# KiCad board poly_kb.kicad_pcb (continued)
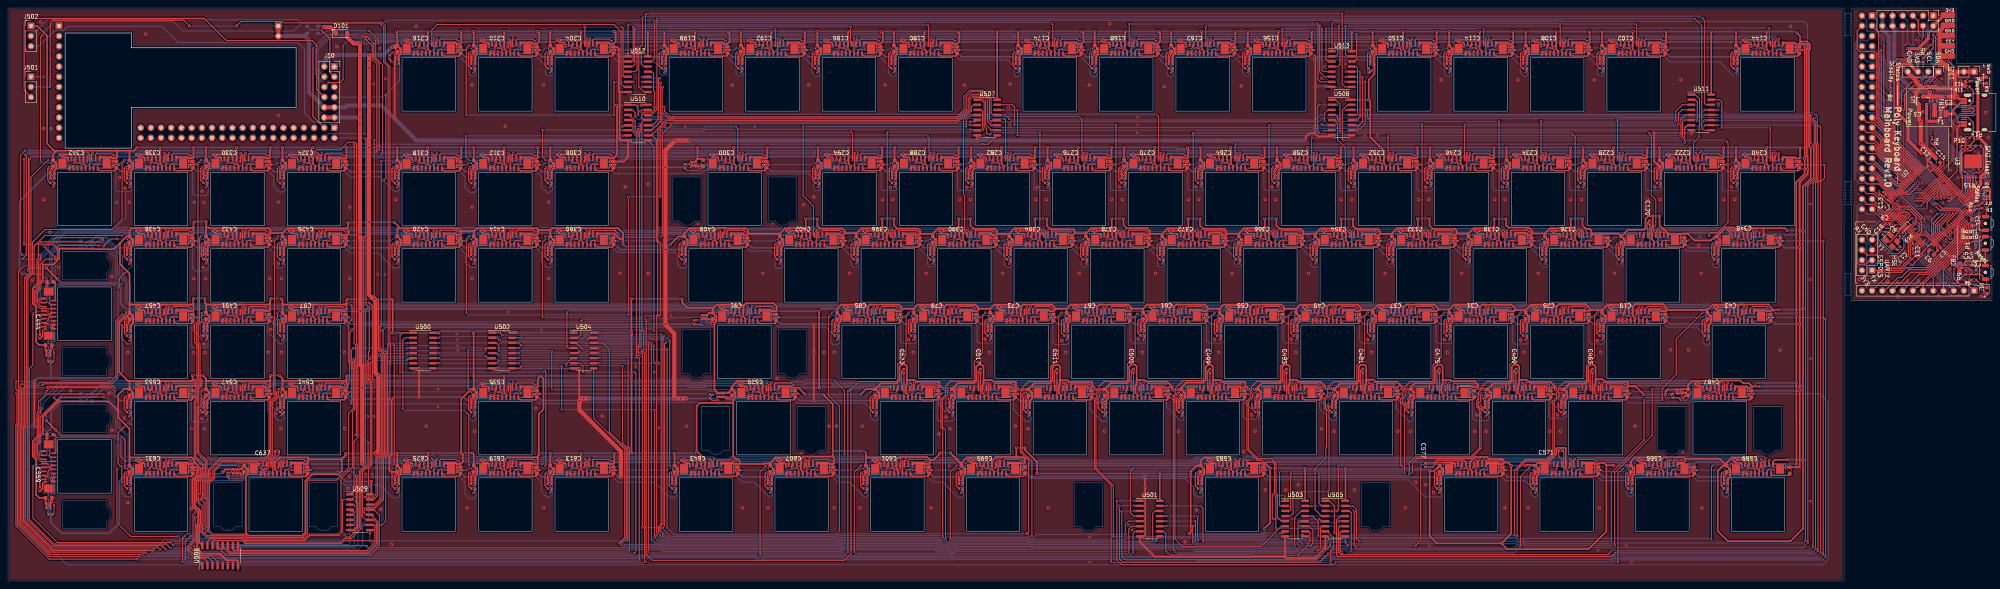
[diagram p0: board, top side]
## Placement (name value [footprint] x y rotation side) (continued)
C421  2.2uF  [C_0603_1608Metric]  96.93 85.15 270 top
C422  2.2uF  [C_0603_1608Metric]  112.67 84.77 90 top
C423  4.7uF  [C_0402_1005Metric]  96.77 81.34 0 top
C424  100nF  [C_0402_1005Metric]  96.8 82.48 0 top
C425  1uF  [C_0402_1005Metric]  68.22 80.2 0 top
C426  1uF  [C_0402_1005Metric]  70.51 87.31 180 top
C427  2.2uF  [C_0603_1608Metric]  68.35 85.15 270 top
C428  2.2uF  [C_0603_1608Metric]  84.1 84.77 90 top
C429  4.7uF  [C_0402_1005Metric]  68.2 81.34 0 top
C430  100nF  [C_0402_1005Metric]  68.22 82.48 0 top
C431  1uF  [C_0402_1005Metric]  49.17 80.2 0 top
C432  1uF  [C_0402_1005Metric]  51.46 87.31 180 top
C433  2.2uF  [C_0603_1608Metric]  49.3 85.15 270 top
C434  2.2uF  [C_0603_1608Metric]  65.05 84.77 90 top
C435  4.7uF  [C_0402_1005Metric]  49.15 81.34 0 top
C436  100nF  [C_0402_1005Metric]  49.17 82.48 0 top
C437  1uF  [C_0402_1005Metric]  30.12 80.2 0 top
C438  1uF  [C_0402_1005Metric]  32.41 87.31 180 top
C439  2.2uF  [C_0603_1608Metric]  30.25 85.15 270 top
C440  2.2uF  [C_0603_1608Metric]  46 84.77 90 top
C441  4.7uF  [C_0402_1005Metric]  30.1 81.34 0 top
C442  100nF  [C_0402_1005Metric]  30.12 82.48 0 top
C443  1uF  [C_0402_1005Metric]  10.58 54.61 0 top
C444  1uF  [C_0402_1005Metric]  7.94 60.97 270 top
C445  2.2uF  [C_0603_1608Metric]  10.09 58.81 0 top
C446  2.2uF  [C_0603_1608Metric]  10.48 74.56 180 top
C447  4.7uF  [C_0402_1005Metric]  10.02 57.36 180 top
C448  100nF  [C_0402_1005Metric]  9.99 56.22 180 top
C449  100nF  [C_0402_1005Metric]  68.22 63.43 0 top
C450  1uF  [C_0402_1005Metric]  49.17 61.15 0 top
C451  1uF  [C_0402_1005Metric]  51.46 68.26 180 top
C452  2.2uF  [C_0603_1608Metric]  49.3 66.1 270 top
C453  2.2uF  [C_0603_1608Metric]  65.05 65.72 90 top
C454  4.7uF  [C_0402_1005Metric]  49.15 62.29 0 top
C455  100nF  [C_0402_1005Metric]  49.17 63.43 0 top
C456  1uF  [C_0402_1005Metric]  30.12 61.15 0 top
C457  1uF  [C_0402_1005Metric]  32.41 68.26 180 top
C458  2.2uF  [C_0603_1608Metric]  30.25 66.1 270 top
C459  2.2uF  [C_0603_1608Metric]  46 65.72 90 top
C460  4.7uF  [C_0402_1005Metric]  30.1 62.29 0 top
C461  100nF  [C_0402_1005Metric]  30.12 63.43 0 top
C462  1uF  [C_0402_1005Metric]  387.31 42.1 0 top
C463  1uF  [C_0402_1005Metric]  394.54 52.43 270 top
C464  2.2uF  [C_0603_1608Metric]  387.44 47.05 270 top
C465  2.2uF  [C_0603_1608Metric]  403.19 46.67 90 top
C466  4.7uF  [C_0402_1005Metric]  387.28 43.24 0 top
C467  100nF  [C_0402_1005Metric]  387.31 44.38 0 top
C468  1uF  [C_0402_1005Metric]  368.26 42.1 0 top
C469  1uF  [C_0402_1005Metric]  375.54 52.45 270 top
C470  2.2uF  [C_0603_1608Metric]  368.39 47.05 270 top
C471  2.2uF  [C_0603_1608Metric]  384.14 46.67 90 top
C472  4.7uF  [C_0402_1005Metric]  368.23 43.24 0 top
C473  100nF  [C_0402_1005Metric]  368.26 44.38 0 top
C474  1uF  [C_0402_1005Metric]  349.21 42.1 0 top
C475  1uF  [C_0402_1005Metric]  356.41 52.5 270 top
C476  2.2uF  [C_0603_1608Metric]  349.34 47.05 270 top
C477  2.2uF  [C_0603_1608Metric]  365.09 46.67 90 top
C478  4.7uF  [C_0402_1005Metric]  349.18 43.24 0 top
C479  100nF  [C_0402_1005Metric]  349.21 44.38 0 top
C480  1uF  [C_0402_1005Metric]  330.16 42.1 0 top
C481  1uF  [C_0402_1005Metric]  337.39 52.48 270 top
C482  2.2uF  [C_0603_1608Metric]  330.29 47.05 270 top
C483  2.2uF  [C_0603_1608Metric]  346.04 46.67 90 top
C484  4.7uF  [C_0402_1005Metric]  330.13 43.24 0 top
C485  100nF  [C_0402_1005Metric]  330.16 44.38 0 top
C486  1uF  [C_0402_1005Metric]  414.53 46.18 270 top
C487  1uF  [C_0402_1005Metric]  420.55 49.21 180 top
C488  2.2uF  [C_0603_1608Metric]  418.4 47.05 270 top
C489  2.2uF  [C_0603_1608Metric]  434.14 46.67 90 top
C490  4.7uF  [C_0402_1005Metric]  416.83 47.25 90 top
C491  100nF  [C_0402_1005Metric]  415.67 47.24 90 top
C492  1uF  [C_0402_1005Metric]  311.11 42.1 0 top
C493  1uF  [C_0402_1005Metric]  318.34 52.43 270 top
C494  2.2uF  [C_0603_1608Metric]  311.24 47.05 270 top
C495  2.2uF  [C_0603_1608Metric]  326.99 46.67 90 top
C496  4.7uF  [C_0402_1005Metric]  311.08 43.24 0 top
C497  100nF  [C_0402_1005Metric]  311.11 44.38 0 top
C498  1uF  [C_0402_1005Metric]  292.06 42.1 0 top
C499  1uF  [C_0402_1005Metric]  299.29 52.43 270 top
C500  2.2uF  [C_0603_1608Metric]  292.19 47.05 270 top
C501  2.2uF  [C_0603_1608Metric]  307.94 46.67 90 top
C502  4.7uF  [C_0402_1005Metric]  292.03 43.24 0 top
C503  100nF  [C_0402_1005Metric]  292.06 44.38 0 top
C504  1uF  [C_0402_1005Metric]  273.01 42.1 0 top
C505  1uF  [C_0402_1005Metric]  280.24 52.45 270 top
C506  2.2uF  [C_0603_1608Metric]  273.14 47.05 270 top
C507  2.2uF  [C_0603_1608Metric]  288.89 46.67 90 top
C508  4.7uF  [C_0402_1005Metric]  272.98 43.24 0 top
C509  100nF  [C_0402_1005Metric]  273.01 44.38 0 top
C510  1uF  [C_0402_1005Metric]  253.96 42.1 0 top
C511  1uF  [C_0402_1005Metric]  261.19 52.38 270 top
C512  2.2uF  [C_0603_1608Metric]  254.09 47.05 270 top
C513  2.2uF  [C_0603_1608Metric]  269.84 46.67 90 top
C514  4.7uF  [C_0402_1005Metric]  253.93 43.24 0 top
C515  100nF  [C_0402_1005Metric]  253.96 44.38 0 top
C516  1uF  [C_0402_1005Metric]  234.91 42.1 0 top
C517  1uF  [C_0402_1005Metric]  242.14 52.35 270 top
C518  2.2uF  [C_0603_1608Metric]  235.04 47.05 270 top
C519  2.2uF  [C_0603_1608Metric]  250.79 46.67 90 top
C520  4.7uF  [C_0402_1005Metric]  234.88 43.24 0 top
C521  100nF  [C_0402_1005Metric]  234.91 44.38 0 top
C522  1uF  [C_0402_1005Metric]  215.86 42.1 0 top
C523  1uF  [C_0402_1005Metric]  223.06 52.35 270 top
C524  2.2uF  [C_0603_1608Metric]  215.99 47.05 270 top
C525  2.2uF  [C_0603_1608Metric]  231.74 46.67 90 top
C526  4.7uF  [C_0402_1005Metric]  215.83 43.24 0 top
C527  100nF  [C_0402_1005Metric]  215.86 44.38 0 top
C528  1uF  [C_0402_1005Metric]  174.8 46.04 270 top
C529  1uF  [C_0402_1005Metric]  182.43 49.21 180 top
C530  2.2uF  [C_0603_1608Metric]  180.27 47.05 270 top
C531  2.2uF  [C_0603_1608Metric]  196.02 46.67 90 top
C532  4.7uF  [C_0402_1005Metric]  177.9 46.33 90 top
C533  100nF  [C_0402_1005Metric]  176.76 46.36 90 top
C534  1uF  [C_0402_1005Metric]  115.85 42.1 0 top
C535  1uF  [C_0402_1005Metric]  118.14 49.21 180 top
C536  2.2uF  [C_0603_1608Metric]  115.98 47.05 270 top
C537  2.2uF  [C_0603_1608Metric]  131.72 46.67 90 top
C538  4.7uF  [C_0402_1005Metric]  115.82 43.24 0 top
C539  100nF  [C_0402_1005Metric]  115.85 44.38 0 top
C540  1uF  [C_0402_1005Metric]  68.22 42.1 0 top
C541  1uF  [C_0402_1005Metric]  70.51 49.21 180 top
C542  2.2uF  [C_0603_1608Metric]  68.35 47.05 270 top
C543  2.2uF  [C_0603_1608Metric]  84.1 46.67 90 top
C544  4.7uF  [C_0402_1005Metric]  68.2 43.24 0 top
C545  100nF  [C_0402_1005Metric]  68.22 44.38 0 top
C546  1uF  [C_0402_1005Metric]  49.17 42.1 0 top
C547  1uF  [C_0402_1005Metric]  51.46 49.21 180 top
C548  2.2uF  [C_0603_1608Metric]  49.3 47.05 270 top
C549  2.2uF  [C_0603_1608Metric]  65.05 46.67 90 top
C550  4.7uF  [C_0402_1005Metric]  49.15 43.24 0 top
C551  100nF  [C_0402_1005Metric]  49.17 44.38 0 top
C552  1uF  [C_0402_1005Metric]  30.12 42.1 0 top
C553  1uF  [C_0402_1005Metric]  32.41 49.21 180 top
C554  2.2uF  [C_0603_1608Metric]  30.25 47.05 270 top
C555  2.2uF  [C_0603_1608Metric]  46 46.67 90 top
C556  4.7uF  [C_0402_1005Metric]  30.1 43.24 0 top
C557  100nF  [C_0402_1005Metric]  30.12 44.38 0 top
C558  1uF  [C_0402_1005Metric]  10.59 16.52 0 top
C559  1uF  [C_0402_1005Metric]  7.94 22.89 270 top
C560  2.2uF  [C_0603_1608Metric]  10.1 20.73 0 top
C561  2.2uF  [C_0603_1608Metric]  10.48 36.47 180 top
C562  4.7uF  [C_0402_1005Metric]  10.03 19.28 180 top
C563  100nF  [C_0402_1005Metric]  10 18.13 180 top
C564  1uF  [C_0402_1005Metric]  403.98 23.05 0 top
C565  1uF  [C_0402_1005Metric]  406.27 30.16 180 top
C566  2.2uF  [C_0603_1608Metric]  404.11 28 270 top
C567  2.2uF  [C_0603_1608Metric]  419.86 27.62 90 top
C568  4.7uF  [C_0402_1005Metric]  403.95 24.19 0 top
C569  100nF  [C_0402_1005Metric]  403.98 25.33 0 top
C570  1uF  [C_0402_1005Metric]  380.17 23.05 0 top
C571  1uF  [C_0402_1005Metric]  386.61 32.56 0 top
C572  2.2uF  [C_0603_1608Metric]  380.3 28 270 top
C573  2.2uF  [C_0603_1608Metric]  396.04 27.62 90 top
C574  4.7uF  [C_0402_1005Metric]  380.14 24.19 0 top
C575  100nF  [C_0402_1005Metric]  380.17 25.33 0 top
C576  1uF  [C_0402_1005Metric]  356.36 23.05 0 top
C577  1uF  [C_0402_1005Metric]  352.93 28.93 270 top
C578  2.2uF  [C_0603_1608Metric]  356.48 28 270 top
C579  2.2uF  [C_0603_1608Metric]  372.23 27.62 90 top
C580  4.7uF  [C_0402_1005Metric]  356.33 24.19 0 top
C581  100nF  [C_0402_1005Metric]  356.36 25.33 0 top
C582  1uF  [C_0402_1005Metric]  296.82 23.05 0 top
C583  1uF  [C_0402_1005Metric]  299.11 30.16 180 top
C584  2.2uF  [C_0603_1608Metric]  296.95 28 270 top
C585  2.2uF  [C_0603_1608Metric]  312.7 27.62 90 top
C586  4.7uF  [C_0402_1005Metric]  296.8 24.19 0 top
C587  100nF  [C_0402_1005Metric]  296.82 25.33 0 top
C588  1uF  [C_0402_1005Metric]  427.79 23.05 0 top
C589  1uF  [C_0402_1005Metric]  430.08 30.16 180 top
C590  2.2uF  [C_0603_1608Metric]  427.92 28 270 top
C591  2.2uF  [C_0603_1608Metric]  443.67 27.62 90 top
C592  4.7uF  [C_0402_1005Metric]  427.77 24.19 0 top
C593  100nF  [C_0402_1005Metric]  427.79 25.33 0 top
C594  1uF  [C_0402_1005Metric]  237.29 23.05 0 top
C595  1uF  [C_0402_1005Metric]  239.58 30.16 180 top
C596  2.2uF  [C_0603_1608Metric]  237.42 28 270 top
C597  2.2uF  [C_0603_1608Metric]  253.17 27.62 90 top
C598  4.7uF  [C_0402_1005Metric]  237.27 24.19 0 top
C599  100nF  [C_0402_1005Metric]  237.29 25.33 0 top
C600  1uF  [C_0402_1005Metric]  213.48 23.05 0 top
C601  1uF  [C_0402_1005Metric]  215.77 30.16 180 top
C602  2.2uF  [C_0603_1608Metric]  213.61 28 270 top
C603  2.2uF  [C_0603_1608Metric]  229.36 27.62 90 top
C604  4.7uF  [C_0402_1005Metric]  213.45 24.19 0 top
C605  100nF  [C_0402_1005Metric]  213.48 25.33 0 top
C606  1uF  [C_0402_1005Metric]  189.67 23.05 0 top
C607  1uF  [C_0402_1005Metric]  191.95 30.16 180 top
C608  2.2uF  [C_0603_1608Metric]  189.8 28 270 top
C609  2.2uF  [C_0603_1608Metric]  205.54 27.62 90 top
C610  4.7uF  [C_0402_1005Metric]  189.64 24.19 0 top
C611  100nF  [C_0402_1005Metric]  189.67 25.33 0 top
C612  1uF  [C_0402_1005Metric]  134.9 23.05 0 top
C613  1uF  [C_0402_1005Metric]  137.19 30.16 180 top
C614  2.2uF  [C_0603_1608Metric]  135.03 28 270 top
C615  2.2uF  [C_0603_1608Metric]  150.77 27.62 90 top
C616  4.7uF  [C_0402_1005Metric]  134.87 24.19 0 top
C617  100nF  [C_0402_1005Metric]  134.9 25.33 0 top
C618  1uF  [C_0402_1005Metric]  115.85 23.05 0 top
C619  1uF  [C_0402_1005Metric]  118.14 30.16 180 top
C620  2.2uF  [C_0603_1608Metric]  115.98 28 270 top
C621  2.2uF  [C_0603_1608Metric]  131.72 27.62 90 top
C622  4.7uF  [C_0402_1005Metric]  115.82 24.19 0 top
C623  100nF  [C_0402_1005Metric]  115.85 25.33 0 top
C624  1uF  [C_0402_1005Metric]  96.8 23.05 0 top
C625  1uF  [C_0402_1005Metric]  99.09 30.16 180 top
C626  2.2uF  [C_0603_1608Metric]  96.93 28 270 top
C627  2.2uF  [C_0603_1608Metric]  112.67 27.62 90 top
C628  4.7uF  [C_0402_1005Metric]  96.77 24.19 0 top
C629  100nF  [C_0402_1005Metric]  96.8 25.33 0 top
C630  1uF  [C_0402_1005Metric]  30.12 23.05 0 top
C631  1uF  [C_0402_1005Metric]  32.41 30.16 180 top
C632  2.2uF  [C_0603_1608Metric]  30.25 28 270 top
C633  2.2uF  [C_0603_1608Metric]  46 27.62 90 top
C634  4.7uF  [C_0402_1005Metric]  30.1 24.19 0 top
C635  100nF  [C_0402_1005Metric]  30.12 25.33 0 top
C636  1uF  [C_0402_1005Metric]  54.71 26.5 270 top
C637  1uF  [C_0402_1005Metric]  67.01 32.38 0 top
C638  2.2uF  [C_0603_1608Metric]  58.83 28 270 top
C639  2.2uF  [C_0603_1608Metric]  74.57 27.62 90 top
C640  4.7uF  [C_0402_1005Metric]  57.17 27.32 90 top
C641  100nF  [C_0402_1005Metric]  56.03 27.35 90 top
C642  1uF  [C_0402_1005Metric]  165.86 23.05 0 top
C643  1uF  [C_0402_1005Metric]  168.14 30.16 180 top
C644  2.2uF  [C_0603_1608Metric]  165.98 28 270 top
C645  2.2uF  [C_0603_1608Metric]  181.73 27.62 90 top
C646  4.7uF  [C_0402_1005Metric]  165.83 24.19 0 top
C647  100nF  [C_0402_1005Metric]  165.86 25.33 0 top
D1  Reset  [LED_0603_1608Metric]  492.76 72.39 270 top
D2  Status  [LED_0603_1608Metric]  492.76 96.65 90 top
D3  Power  [LED_0603_1608Metric]  492.63 124.84 90 top
D101  D_Small  [D_SOD-123F]  83.06 136.53 0 top
F1  2A  [Fuse_1206_3216Metric]  481.18 116.51 0 top
FB1  600 @ 600 MHz  [L_0805_2012Metric]  479.78 119.74 270 top
FB2  600 @ 600 MHz  [L_0805_2012Metric]  486 78.18 270 top
J1  SWD  [SIDE-SWD]  485.65 136.02 270 top
J2  USB_C_Receptacle_USB2.0  [USB_C_Receptacle_HRO_TYPE-C-31-M-12]  491.11 116.84 90 top
J3  Left  [PinHeader_2x06_P2.54mm_Vertical]  479.43 140.97 270 top
J4  Right  [PinHeader_1x12_P2.54mm_Vertical]  489.58 72.39 270 top
J5  USART2  [PinHeader_2x04_P2.54mm_Vertical]  464.19 77.47 180 top
J6  I2C1  [PinHeader_1x04_P2.54mm_Vertical]  480.69 127 270 top
J7  Bottom  [PinHeader_2x20_P2.54mm_Vertical]  464.19 140.97 180 bottom
J8  Conn_01x02  [PinHeader_1x02_P2.54mm_Vertical]  489.58 127 270 top
J9  Conn_01x02  [PinHeader_1x02_P2.54mm_Vertical]  67.31 138.43 180 bottom
J10  Left  [PinSocket_2x06_P2.54mm_Vertical]  81.28 128.27 0 top
J11  Right  [PinHeader_1x12_P2.54mm_Vertical]  12.7 138.43 180 bottom
J12  Bottom  [PinSocket_2x20_P2.54mm_Vertical]  81.28 113.03 90 bottom
J13  Conn_01x16  [FPC_16_AFC11-S16ICA-00]  404.81 66.05 0 top
J14  Conn_01x16  [FPC_16_AFC11-S16ICA-00]  385.76 66.05 0 top
J15  Conn_01x16  [FPC_16_AFC11-S16ICA-00]  366.71 66.05 0 top
J16  Conn_01x16  [FPC_16_AFC11-S16ICA-00]  347.66 66.05 0 top
J17  Conn_01x16  [FPC_16_AFC11-S16ICA-00]  431.01 66.05 0 top
J18  Conn_01x16  [FPC_16_AFC11-S16ICA-00]  328.61 66.05 0 top
J19  Conn_01x16  [FPC_16_AFC11-S16ICA-00]  309.56 66.05 0 top
J20  Conn_01x16  [FPC_16_AFC11-S16ICA-00]  290.51 66.05 0 top
J21  Conn_01x16  [FPC_16_AFC11-S16ICA-00]  271.46 66.05 0 top
J22  Conn_01x16  [FPC_16_AFC11-S16ICA-00]  252.41 66.05 0 top
J23  Conn_01x16  [FPC_16_AFC11-S16ICA-00]  233.36 66.05 0 top
J24  Conn_01x16  [FPC_16_AFC11-S16ICA-00]  214.31 66.05 0 top
J25  Conn_01x16  [FPC_16_AFC11-S16ICA-00]  183.36 66.05 0 top
J26  Conn_01x16  [FPC_16_AFC11-S16ICA-00]  76.2 66.05 0 top
J27  Conn_01x16  [FPC_16_AFC11-S16ICA-00]  57.15 66.05 0 top
J28  Conn_01x16  [FPC_16_AFC11-S16ICA-00]  38.1 66.05 0 top
J29  Conn_01x16  [FPC_16_AFC11-S16ICA-00]  395.29 47 0 top
J30  Conn_01x16  [FPC_16_AFC11-S16ICA-00]  376.24 47 0 top
J31  Conn_01x16  [FPC_16_AFC11-S16ICA-00]  357.19 47 0 top
J32  Conn_01x16  [FPC_16_AFC11-S16ICA-00]  338.14 47 0 top
J33  Conn_01x16  [FPC_16_AFC11-S16ICA-00]  426.24 47 0 top
J34  Conn_01x16  [FPC_16_AFC11-S16ICA-00]  319.09 47 0 top
J35  Conn_01x16  [FPC_16_AFC11-S16ICA-00]  300.04 47 0 top
J36  Conn_01x16  [FPC_16_AFC11-S16ICA-00]  280.99 47 0 top
J37  Conn_01x16  [FPC_16_AFC11-S16ICA-00]  261.94 47 0 top
J38  Conn_01x16  [FPC_16_AFC11-S16ICA-00]  242.89 47 0 top
J39  Conn_01x16  [FPC_16_AFC11-S16ICA-00]  223.84 47 0 top
J40  Conn_01x16  [FPC_16_AFC11-S16ICA-00]  188.12 47 0 top
J41  Conn_01x16  [FPC_16_AFC11-S16ICA-00]  123.82 47 0 top
J42  Conn_01x16  [FPC_16_AFC11-S16ICA-00]  76.2 47 0 top
J43  Conn_01x16  [FPC_16_AFC11-S16ICA-00]  57.15 47 0 top
J44  Conn_01x16  [FPC_16_AFC11-S16ICA-00]  38.1 47 0 top
J45  Conn_01x16  [FPC_16_AFC11-S16ICA-00]  10.15 28.58 90 top
J46  Conn_01x16  [FPC_16_AFC11-S16ICA-00]  411.96 27.95 0 top
J47  Conn_01x16  [FPC_16_AFC11-S16ICA-00]  388.14 27.95 0 top
J48  Conn_01x16  [FPC_16_AFC11-S16ICA-00]  364.33 27.95 0 top
J49  Conn_01x16  [FPC_16_AFC11-S16ICA-00]  304.8 27.95 0 top
J50  Conn_01x16  [FPC_16_AFC11-S16ICA-00]  435.77 27.95 0 top
J51  Conn_01x16  [FPC_16_AFC11-S16ICA-00]  245.27 27.95 0 top
J52  Conn_01x16  [FPC_16_AFC11-S16ICA-00]  221.46 27.95 0 top
J53  Conn_01x16  [FPC_16_AFC11-S16ICA-00]  197.64 27.95 0 top
J54  Conn_01x16  [FPC_16_AFC11-S16ICA-00]  142.88 27.95 0 top
J55  Conn_01x16  [FPC_16_AFC11-S16ICA-00]  123.82 27.95 0 top
J56  Conn_01x16  [FPC_16_AFC11-S16ICA-00]  104.78 27.95 0 top
J57  Conn_01x16  [FPC_16_AFC11-S16ICA-00]  38.1 27.95 0 top
J58  Conn_01x16  [FPC_16_AFC11-S16ICA-00]  66.68 27.95 0 top
J59  Conn_01x16  [FPC_16_AFC11-S16ICA-00]  173.83 27.95 0 top
J101  Conn_01x16  [FPC_16_AFC11-S16ICA-00]  433.39 85.1 0 top
J102  Conn_01x16  [FPC_16_AFC11-S16ICA-00]  404.81 132.72 0 top
J103  Conn_01x16  [FPC_16_AFC11-S16ICA-00]  385.76 132.72 0 top
J104  Conn_01x16  [FPC_16_AFC11-S16ICA-00]  366.71 132.72 0 top
J105  Conn_01x16  [FPC_16_AFC11-S16ICA-00]  409.57 85.1 0 top
J106  Conn_01x16  [FPC_16_AFC11-S16ICA-00]  390.52 85.1 0 top
J107  Conn_01x16  [FPC_16_AFC11-S16ICA-00]  352.43 85.1 0 top
J108  Conn_01x16  [FPC_16_AFC11-S16ICA-00]  371.48 85.1 0 top
J109  Conn_01x16  [FPC_16_AFC11-S16ICA-00]  333.38 85.1 0 top
J110  Conn_01x16  [FPC_16_AFC11-S16ICA-00]  142.88 85.1 0 top
J111  Conn_01x16  [FPC_16_AFC11-S16ICA-00]  314.32 85.1 0 top
J112  Conn_01x16  [FPC_16_AFC11-S16ICA-00]  295.27 85.1 0 top
J113  Conn_01x16  [FPC_16_AFC11-S16ICA-00]  276.23 85.1 0 top
J114  Conn_01x16  [FPC_16_AFC11-S16ICA-00]  257.18 85.1 0 top
J115  Conn_01x16  [FPC_16_AFC11-S16ICA-00]  238.12 85.1 0 top
J116  Conn_01x16  [FPC_16_AFC11-S16ICA-00]  219.07 85.1 0 top
J117  Conn_01x16  [FPC_16_AFC11-S16ICA-00]  438.15 132.72 0 top
J118  Conn_01x16  [FPC_16_AFC11-S16ICA-00]  347.66 132.72 0 top
J119  Conn_01x16  [FPC_16_AFC11-S16ICA-00]  316.55 132.72 0 top
J120  Conn_01x16  [FPC_16_AFC11-S16ICA-00]  297.5 132.72 0 top
J121  Conn_01x16  [FPC_16_AFC11-S16ICA-00]  278.45 132.72 0 top
J122  Conn_01x16  [FPC_16_AFC11-S16ICA-00]  259.4 132.72 0 top
J123  Conn_01x16  [FPC_16_AFC11-S16ICA-00]  228.44 132.72 0 top
J124  Conn_01x16  [FPC_16_AFC11-S16ICA-00]  209.39 132.72 0 top
J125  Conn_01x16  [FPC_16_AFC11-S16ICA-00]  190.34 132.72 0 top
J126  Conn_01x16  [FPC_16_AFC11-S16ICA-00]  171.29 132.72 0 top
J127  Conn_01x16  [FPC_16_AFC11-S16ICA-00]  142.88 132.72 0 top
J128  Conn_01x16  [FPC_16_AFC11-S16ICA-00]  123.83 132.72 0 top
J129  Conn_01x16  [FPC_16_AFC11-S16ICA-00]  104.78 132.72 0 top
J130  Conn_01x16  [FPC_16_AFC11-S16ICA-00]  419.1 104.15 0 top
J131  Conn_01x16  [FPC_16_AFC11-S16ICA-00]  400.05 104.15 0 top
J132  Conn_01x16  [FPC_16_AFC11-S16ICA-00]  381 104.15 0 top
J133  Conn_01x16  [FPC_16_AFC11-S16ICA-00]  438.15 104.15 0 top
J134  Conn_01x16  [FPC_16_AFC11-S16ICA-00]  361.95 104.15 0 top
J135  Conn_01x16  [FPC_16_AFC11-S16ICA-00]  342.9 104.15 0 top
J136  Conn_01x16  [FPC_16_AFC11-S16ICA-00]  323.85 104.15 0 top
J137  Conn_01x16  [FPC_16_AFC11-S16ICA-00]  304.8 104.15 0 top
J138  Conn_01x16  [FPC_16_AFC11-S16ICA-00]  285.75 104.15 0 top
J139  Conn_01x16  [FPC_16_AFC11-S16ICA-00]  266.7 104.15 0 top
J140  Conn_01x16  [FPC_16_AFC11-S16ICA-00]  247.65 104.15 0 top
J141  Conn_01x16  [FPC_16_AFC11-S16ICA-00]  228.6 104.15 0 top
J142  Conn_01x16  [FPC_16_AFC11-S16ICA-00]  209.55 104.15 0 top
J143  Conn_01x16  [FPC_16_AFC11-S16ICA-00]  180.97 104.15 0 top
J144  Conn_01x16  [FPC_16_AFC11-S16ICA-00]  142.88 104.15 0 top
J145  Conn_01x16  [FPC_16_AFC11-S16ICA-00]  123.82 104.1 0 top
J146  Conn_01x16  [FPC_16_AFC11-S16ICA-00]  104.78 104.1 0 top
J147  Conn_01x16  [FPC_16_AFC11-S16ICA-00]  76.2 104.1 0 top
J148  Conn_01x16  [FPC_16_AFC11-S16ICA-00]  57.15 104.15 0 top
J149  Conn_01x16  [FPC_16_AFC11-S16ICA-00]  38.1 104.15 0 top
J150  Conn_01x16  [FPC_16_AFC11-S16ICA-00]  19.05 104.15 0 top
J151  Conn_01x16  [FPC_16_AFC11-S16ICA-00]  200.02 85.1 0 top
J152  Conn_01x16  [FPC_16_AFC11-S16ICA-00]  176.21 85.1 0 top
J153  Conn_01x16  [FPC_16_AFC11-S16ICA-00]  123.82 85.1 0 top
J154  Conn_01x16  [FPC_16_AFC11-S16ICA-00]  104.78 85.1 0 top
J155  Conn_01x16  [FPC_16_AFC11-S16ICA-00]  76.2 85.1 0 top
J156  Conn_01x16  [FPC_16_AFC11-S16ICA-00]  57.15 85.1 0 top
J157  Conn_01x16  [FPC_16_AFC11-S16ICA-00]  38.1 85.1 0 top
J158  Conn_01x16  [FPC_16_AFC11-S16ICA-00]  10.15 66.66 90 top
J501  /OE  [PinHeader_1x03_P2.54mm_Vertical]  5.72 125.74 0 top
J502  /MR  [PinHeader_1x03_P2.54mm_Vertical]  5.72 138.44 0 top
LED_1  -  [WS2812B-Mini]  405.28 65.78 180 bottom
LED_2  -  [WS2812B-Mini]  386.23 65.78 180 bottom
LED_3  -  [WS2812B-Mini]  367.18 65.78 180 bottom
LED_4  -  [WS2812B-Mini]  348.13 65.78 180 bottom
LED_5  -  [WS2812B-Mini]  431.48 65.78 180 bottom
LED_6  -  [WS2812B-Mini]  329.08 65.78 180 bottom
LED_7  -  [WS2812B-Mini]  310.03 65.78 180 bottom
LED_8  -  [WS2812B-Mini]  290.98 65.78 180 bottom
LED_9  -  [WS2812B-Mini]  271.93 65.78 180 bottom
LED_10  -  [WS2812B-Mini]  252.88 65.78 180 bottom
LED_11  -  [WS2812B-Mini]  233.83 65.78 180 bottom
LED_12  -  [WS2812B-Mini]  214.78 65.78 180 bottom
LED_13  -  [WS2812B-Mini]  183.83 65.78 180 bottom
LED_14  -  [WS2812B-Mini]  76.67 65.78 180 bottom
LED_15  -  [WS2812B-Mini]  57.62 65.78 180 bottom
LED_16  -  [WS2812B-Mini]  38.57 65.78 180 bottom
LED_17  -  [WS2812B-Mini]  395.76 46.73 180 bottom
LED_18  -  [WS2812B-Mini]  376.71 46.73 180 bottom
LED_19  -  [WS2812B-Mini]  357.66 46.73 180 bottom
LED_20  -  [WS2812B-Mini]  338.61 46.73 180 bottom
LED_21  -  [WS2812B-Mini]  426.71 46.73 180 bottom
LED_22  -  [WS2812B-Mini]  319.56 46.73 180 bottom
LED_23  -  [WS2812B-Mini]  300.51 46.73 180 bottom
LED_24  -  [WS2812B-Mini]  281.46 46.73 180 bottom
LED_25  -  [WS2812B-Mini]  262.41 46.73 180 bottom
LED_26  -  [WS2812B-Mini]  243.36 46.73 180 bottom
LED_27  -  [WS2812B-Mini]  224.31 46.73 180 bottom
LED_28  -  [WS2812B-Mini]  188.59 46.73 180 bottom
LED_29  -  [WS2812B-Mini]  124.29 46.73 180 bottom
LED_30  -  [WS2812B-Mini]  76.67 46.73 180 bottom
LED_31  -  [WS2812B-Mini]  57.62 46.73 180 bottom
LED_32  -  [WS2812B-Mini]  38.57 46.73 180 bottom
LED_33  -  [WS2812B-Mini]  19.52 45.78 180 bottom
LED_34  -  [WS2812B-Mini]  412.43 27.68 180 bottom
LED_35  -  [WS2812B-Mini]  388.61 27.68 180 bottom
LED_36  -  [WS2812B-Mini]  364.8 27.68 180 bottom
LED_37  -  [WS2812B-Mini]  305.27 27.68 180 bottom
LED_38  -  [WS2812B-Mini]  436.24 27.68 180 bottom
LED_39  -  [WS2812B-Mini]  245.74 27.68 180 bottom
LED_40  -  [WS2812B-Mini]  221.93 27.68 180 bottom
LED_41  -  [WS2812B-Mini]  198.11 27.68 180 bottom
LED_42  -  [WS2812B-Mini]  143.34 27.68 180 bottom
LED_43  -  [WS2812B-Mini]  124.29 27.68 180 bottom
LED_44  -  [WS2812B-Mini]  105.24 27.68 180 bottom
LED_45  -  [WS2812B-Mini]  38.57 27.68 180 bottom
LED_46  -  [WS2812B-Mini]  67.14 27.68 180 bottom
LED_47  -  [WS2812B-Mini]  174.3 27.68 180 bottom
LED_101  -  [WS2812B-Mini]  405.28 132.46 180 bottom
LED_102  -  [WS2812B-Mini]  386.23 132.46 180 bottom
LED_103  -  [WS2812B-Mini]  367.18 132.46 180 bottom
LED_104  -  [WS2812B-Mini]  410.04 84.83 180 bottom
LED_105  -  [WS2812B-Mini]  390.99 84.83 180 bottom
LED_106  -  [WS2812B-Mini]  371.94 84.83 180 bottom
LED_107  -  [WS2812B-Mini]  352.89 84.83 180 bottom
LED_108  -  [WS2812B-Mini]  438.62 132.46 180 bottom
LED_109  -  [WS2812B-Mini]  348.13 132.46 180 bottom
LED_110  -  [WS2812B-Mini]  317.02 132.46 180 bottom
LED_111  -  [WS2812B-Mini]  297.97 132.46 180 bottom
LED_112  -  [WS2812B-Mini]  278.92 132.46 180 bottom
LED_113  -  [WS2812B-Mini]  259.87 132.46 180 bottom
LED_114  -  [WS2812B-Mini]  228.91 132.46 180 bottom
LED_115  -  [WS2812B-Mini]  209.86 132.46 180 bottom
LED_116  -  [WS2812B-Mini]  190.81 132.46 180 bottom
LED_117  -  [WS2812B-Mini]  171.76 132.46 180 bottom
LED_118  -  [WS2812B-Mini]  143.34 132.46 180 bottom
LED_119  -  [WS2812B-Mini]  124.3 132.46 180 bottom
LED_120  -  [WS2812B-Mini]  105.24 132.46 180 bottom
LED_121  -  [WS2812B-Mini]  419.57 103.88 180 bottom
LED_122  -  [WS2812B-Mini]  400.52 103.88 180 bottom
LED_123  -  [WS2812B-Mini]  381.47 103.88 180 bottom
LED_124  -  [WS2812B-Mini]  438.62 103.88 180 bottom
LED_125  -  [WS2812B-Mini]  362.42 103.88 180 bottom
LED_126  -  [WS2812B-Mini]  343.37 103.88 180 bottom
LED_127  -  [WS2812B-Mini]  324.32 103.88 180 bottom
LED_128  -  [WS2812B-Mini]  305.27 103.88 180 bottom
LED_129  -  [WS2812B-Mini]  286.22 103.88 180 bottom
LED_130  -  [WS2812B-Mini]  267.17 103.88 180 bottom
LED_131  -  [WS2812B-Mini]  248.12 103.88 180 bottom
LED_132  -  [WS2812B-Mini]  229.07 103.88 180 bottom
LED_133  -  [WS2812B-Mini]  210.02 103.88 180 bottom
LED_134  -  [WS2812B-Mini]  181.44 103.88 180 bottom
LED_135  -  [WS2812B-Mini]  143.34 103.88 180 bottom
LED_136  -  [WS2812B-Mini]  124.29 103.83 180 bottom
LED_137  -  [WS2812B-Mini]  105.24 103.83 180 bottom
LED_138  -  [WS2812B-Mini]  76.67 103.83 180 bottom
LED_139  -  [WS2812B-Mini]  57.62 103.88 180 bottom
LED_140  -  [WS2812B-Mini]  38.57 103.88 180 bottom
LED_141  -  [WS2812B-Mini]  19.52 103.88 180 bottom
LED_142  -  [WS2812B-Mini]  433.86 84.83 180 bottom
LED_143  -  [WS2812B-Mini]  333.84 84.83 180 bottom
LED_144  -  [WS2812B-Mini]  143.34 84.83 180 bottom
LED_145  -  [WS2812B-Mini]  314.79 84.83 180 bottom
LED_146  -  [WS2812B-Mini]  295.74 84.83 180 bottom
LED_147  -  [WS2812B-Mini]  276.69 84.83 180 bottom
LED_148  -  [WS2812B-Mini]  257.64 84.83 180 bottom
LED_149  -  [WS2812B-Mini]  238.59 84.83 180 bottom
LED_150  -  [WS2812B-Mini]  219.54 84.83 180 bottom
LED_151  -  [WS2812B-Mini]  200.49 84.83 180 bottom
LED_152  -  [WS2812B-Mini]  176.68 84.83 180 bottom
LED_153  -  [WS2812B-Mini]  124.29 84.83 180 bottom
LED_154  -  [WS2812B-Mini]  105.24 84.83 180 bottom
LED_155  -  [WS2812B-Mini]  76.67 84.83 180 bottom
LED_156  -  [WS2812B-Mini]  57.62 84.83 180 bottom
LED_157  -  [WS2812B-Mini]  38.57 84.83 180 bottom
LED_158  -  [WS2812B-Mini]  19.51 83.87 180 bottom
LED_INDICATOR101  -  [WS2812B-Mini]  75.82 137.42 180 bottom
R1  100k  [R_0402_1005Metric]  490.09 84.2 90 top
R2  10k  [R_0402_1005Metric]  488.82 76.96 270 top
R3  100k  [R_0402_1005Metric]  492.12 92.96 0 top
R4  22  [R_0402_1005Metric]  479.07 109.52 90 top
R5  22  [R_0402_1005Metric]  476.99 129.92 90 top
R6  1k5  [R_0402_1005Metric]  489.58 75.06 180 top
R7  1k5  [R_0402_1005Metric]  492.12 94.23 180 top
R8  22  [R_0402_1005Metric]  468.73 122.45 90 top
R9  22  [R_0402_1005Metric]  487.43 76.96 90 top
R10  5k1  [R_0402_1005Metric]  487.93 110.49 0 top
R11  5k1  [R_0402_1005Metric]  487.93 123.24 0 top
R12  1k5  [R_0402_1005Metric]  487.96 124.64 180 top
R13  47  [R_0402_1005Metric]  471.4 86.41 225 top
R14  10k  [R_0402_1005Metric]  490.09 110.49 180 top
R15  10k  [R_0402_1005Metric]  490.73 99.31 180 top
SW1  Boot0  [SW_SPST_B3U-3000P-B]  492.38 84.2 270 top
SW2  Boot1  [SW_SPST_B3U-3000P-B]  492.38 89.15 270 top
SW3  Reset  [SW_SPST_B3U-3000P-B]  492.38 76.96 270 top
U1  XC6206P332MR  [SOT-23]  476.81 119.79 90 top
U2  STM32F407VETx  [LQFP-100_14x14mm_P0.5mm]  478.12 93.57 45 top
U3  -  [W25N01GVZEIG]  489.33 104.65 270 top
U500  74HCT595  [SOIC-16_3.9x9.9mm_P1.27mm]  103.35 57.47 0 top
U501  74HCT595  [SOIC-16_3.9x9.9mm_P1.27mm]  284.32 15.56 0 top
U502  74HCT595  [SOIC-16_3.9x9.9mm_P1.27mm]  123.03 57.47 0 top
U503  74HCT595  [SOIC-16_3.9x9.9mm_P1.27mm]  320.52 15.56 0 top
U504  74HCT595  [SOIC-16_3.9x9.9mm_P1.27mm]  143.35 57.47 0 top
U505  74HCT595  [SOIC-16_3.9x9.9mm_P1.27mm]  330.52 15.56 0 top
U506  74HCT595  [SOIC-16_3.9x9.9mm_P1.27mm]  52.83 6.34 90 top
U507  74HCT595  [SOIC-16_3.9x9.9mm_P1.27mm]  243.84 115.58 0 top
U508  74HCT595  [SOIC-16_3.9x9.9mm_P1.27mm]  332.11 115.58 0 top
U509  74HCT595  [SOIC-16_3.9x9.9mm_P1.27mm]  87.63 17.14 0 top
U510  74HCT595  [SOIC-16_3.9x9.9mm_P1.27mm]  156.84 114.31 0 top
U511  74HCT595  [SOIC-16_3.9x9.9mm_P1.27mm]  421.64 116.85 0 top
U512  74HCT595  [SOIC-16_3.9x9.9mm_P1.27mm]  156.84 126.37 0 top
U513  74HCT595  [SOIC-16_3.9x9.9mm_P1.27mm]  332.11 127.64 0 top
Y1  16MHz  [Crystal_SMD_3225-4Pin_3.2x2.5mm]  469.01 84.84 315 top

## Footprints (pads in the part's own frame, mm; a bottom-side part is the same pattern mirrored in y, then rotated)
C_0402_1005Metric
  rrect 0.56x0.62 smd: 1(-0.48,0) 2(0.48,0)
